# Altium PCB Goldstrike1_Rev01.PcbDoc (part 7 of 7)
Units mm, origin at the board's own origin, x right, y up, seen from the top; angles counter-clockwise.
Board outline 119.3 x 255 mm, 4 copper layers (L1, L2, L3, L4), stack 1.577 mm thick; 722 components, 224 nets, 4532 pads, 1329 vias.
Unrouted connection lines stored in the file: 147.
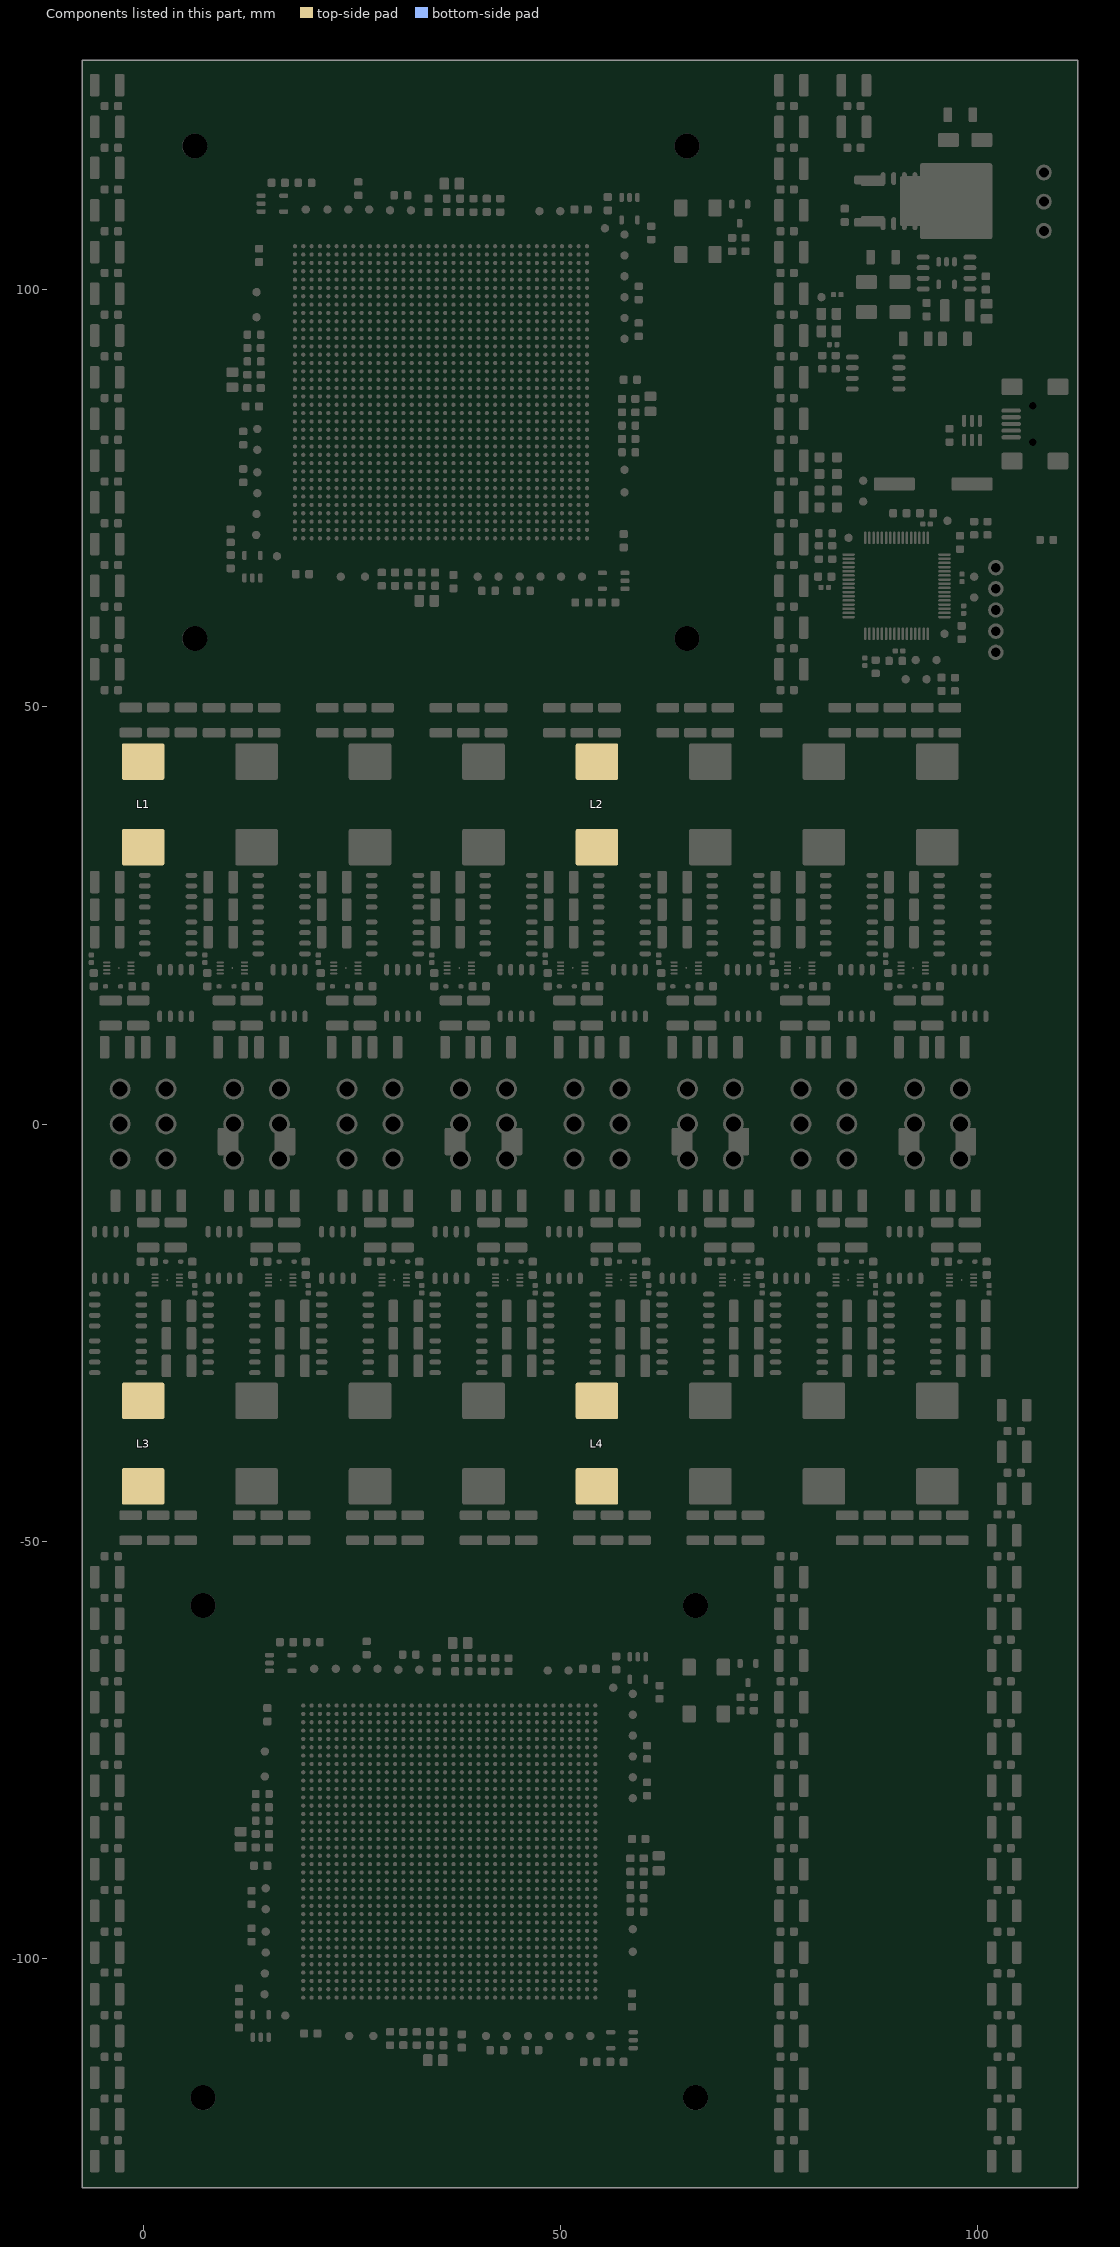
[diagram p9: the components of this part, seen from the top]

## Via types
v1: diameter 0.6/0.6/0.6 (per signal layer), hole 0.3, L1 to L4, 672 vias
v2: diameter 0.55/0.55/0.55 (per signal layer), hole 0.25, L1 to L4, 657 vias

## Nets (pads, with @x,y where several pads share a name; then routed paths per layer and width w, separated by ;. In a path a pad name is that pad's centre, name@x,y a point inside that pad or via, vN(x,y) a via of type N, cw(c..) or ccw(c..) an arc to the next point about the centre after c; other vN are vias at no path point) (continued)
pads on no net: 11.1 11.2 11.3 11.4 21.1 21.2 21.3 21.4 C18.2 C24.1 C25.1 C27.2 C39.1 C40.1 C41.1 C44.1 C45.1 C46.1 C49.1 C50.1 C51.1 C57.1 C66.1 C71.1 C72.1 C73.1 C76.1 C77.1 C78.1 C81.1 C82.1 C83.1 C88.1 C89.1 C96.1 C98.1 C99.1 C100.1 C108.1 C109.1 C110.1 C120.1 C130.1 C131.1 C132.1 C140.1 C141.1 C142.1 C148.2 C149.2 C152.2 C153.2 C154.2 C155.2 C156.2 C157.2 C160.2 C161.2 C162.2 C163.2 C164.1 C166.1 C167.1 C168.1 C169.1 C172.1 C174.1 C175.1 C176.1 C176.2 C178.1 C178.2 C179.1 C179.2 C180.1 C180.2 C181.1 C183.1 C184.1 C184.2 C185.2 C186.1 C186.2 C187.1 C187.2 C196.1 C206.1 C211.1 C212.1 C219.1 C223.1 C226.1 C242.1 C246.1 C260.1 C261.1 C264.1 C266.1 C267.1 C268.1 C269.1 C270.1 C271.1 C272.1 C273.1 C274.1 C275.1 C276.1 C277.1 C278.1 C279.1 C280.1 C281.1 C282.1 C283.1 C284.1 C285.1 C286.1 C287.1 C288.1 C289.1 C290.1 C291.1 C292.1 C293.1 C295.1 C296.1 C306.1 C307.1 C308.1 C309.1 C310.1 C312.1 C313.1 C314.1 C315.1 C316.1 C317.1 C318.1 C319.1 C320.1 C321.1 C322.1 C323.1 C324.1 C325.1 C326.1 C327.1 C328.1 C329.1 C330.1 C331.1 C332.1 C333.1 C334.1 C335.1 C336.1 C385.1 C386.1 C387.1 C388.1 C389.1 C390.1 C392.1 C393.1 C394.1 C395.1 C396.1 C397.1 C398.1 C399.1 C400.1 C401.1 C410.1 C411.1 C412.1 C413.1 C414.1 C414.2 C415.1 C416.1 C416.2 C417.1 C418.1 C419.1 C436.1 D6.2 D6.5 FB2.1 FB3.1 FB4.1 FB7.1 J1.3 J2.4 J2.5 J2.6 J2.7 J2.8 J2.9 J2.10 J2.11 J5.5 L7.2 L10.2 L11.1 L12.2 Q5.1 Q5.2 Q5.3 Q6.1 Q6.3 Q7.1 Q7.2 Q7.3 Q8.1 Q8.3 Q9.1 Q9.2 Q9.3 Q10.1 Q10.2 Q10.3 Q11.1 Q11.2 Q11.3 Q12.1 Q12.2 Q12.3 Q17.1 Q17.2 Q17.3 Q18.1 Q18.2 Q18.3 Q19.1 Q19.2 Q19.3 Q20.1 Q20.2 Q20.3 Q21.1 Q21.2 Q21.3 Q22.1 Q22.2 Q22.3 Q23.1 Q23.2 Q23.3 Q24.1 Q24.2 Q24.3 Q29.1 Q29.2 Q29.3 Q30.1 Q30.2 Q30.3 Q31.1 Q31.2 Q31.3 Q32.1 Q32.2 Q32.3 Q33.1 Q33.2 Q33.3 Q33.6 Q33.7 Q34.1 Q34.2 Q34.3 Q34.6 Q34.7 Q34.8 Q35.1 Q35.2 Q35.3 Q36.1 Q36.2 Q36.3 Q41.1 Q41.2 Q41.3 Q42.1 Q42.2 Q42.3 Q43.1 Q43.2 Q43.3 Q44.1 Q44.2 Q44.3 Q45.1 Q45.2 Q45.3 Q46.1 Q46.2 Q46.3 Q47.1 Q47.2 Q47.3 Q48.1 Q48.2 Q48.3 R5.1 R24.2 R26.2 R29.1 R30.1 R34.1 R35.2 R37.2 R42.2 R44.2 R46.2 TP70.1 TP72.1 U1.A1 U1.A3 U1.A4 U1.A11 U1.A13 U1.A14 U1.A15 U1.A16 U1.A18 U1.A19 U1.A20 U1.A21 U1.A22 U1.A23 U1.A25 U1.A26 U1.A27 U1.A28 U1.A29 U1.A30 U1.A31 U1.A32 U1.A33 U1.A35 U1.A36 U1.AA1 U1.AA2 U1.AA3 U1.AA4 U1.AA5 U1.AA6 U1.AA7 U1.AA8 U1.AA9 U1.AA10 U1.AA11 U1.AA12 U1.AA13 U1.AA14 U1.AA15 U1.AA16 U1.AA17 U1.AA18 U1.AA19 U1.AA20 U1.AA21 U1.AA22 U1.AA23 U1.AA24 U1.AA25 U1.AA26 U1.AA27 U1.AA28 U1.AA29 U1.AA30 U1.AA31 U1.AA32 U1.AA33 U1.AA34 U1.AA35 U1.AA36 U1.AB1 U1.AB2 U1.AB3 U1.AB4 U1.AB5 U1.AB6 U1.AB7 U1.AB8 U1.AB9 U1.AB10 U1.AB11 U1.AB12 U1.AB13 U1.AB14 U1.AB15 U1.AB16 U1.AB17 U1.AB18 U1.AB19 U1.AB20 U1.AB21 U1.AB22 U1.AB23 U1.AB24 U1.AB25 U1.AB26 U1.AB27 U1.AB28 U1.AB29 U1.AB30 U1.AB31 U1.AB32 U1.AB33 U1.AB34 U1.AB35 U1.AB36 U1.AC1 U1.AC2 U1.AC3 U1.AC4 U1.AC5 U1.AC6 U1.AC7 U1.AC8 U1.AC9 U1.AC10 U1.AC11 U1.AC12 U1.AC13 U1.AC14 U1.AC15 U1.AC16 U1.AC17 U1.AC18 U1.AC19 U1.AC20 U1.AC21 U1.AC22 U1.AC23 U1.AC24 U1.AC25 U1.AC26 U1.AC27 U1.AC28 U1.AC29 U1.AC30 U1.AC31 U1.AC32 U1.AC33 U1.AC34 U1.AC35 U1.AC36 U1.AD1 U1.AD2 U1.AD3 U1.AD4 U1.AD5 U1.AD6 U1.AD7 U1.AD8 U1.AD9 U1.AD10 U1.AD11 U1.AD12 U1.AD13 U1.AD14 U1.AD15 U1.AD16 U1.AD17 U1.AD18 U1.AD19 U1.AD20 U1.AD21 U1.AD22 U1.AD23 U1.AD24 U1.AD25 U1.AD26 U1.AD27 U1.AD28 U1.AD29 U1.AD30 U1.AD31 U1.AD32 U1.AD34 U1.AD35 U1.AD36 U1.AE1 U1.AE2 U1.AE3 U1.AE5 U1.AE6 U1.AE7 U1.AE8 U1.AE9 U1.AE10 U1.AE11 U1.AE12 U1.AE13 U1.AE14 U1.AE15 U1.AE16 U1.AE17 U1.AE18 U1.AE19 U1.AE20 U1.AE21 U1.AE22 U1.AE23 U1.AE24 U1.AE25 U1.AE26 U1.AE27 U1.AE28 U1.AE29 U1.AE30 U1.AE31 U1.AE32 U1.AE33 U1.AE34 U1.AE36 U1.AF1 U1.AF3 U1.AF6 U1.AF7 U1.AF8 U1.AF9 U1.AF10 U1.AF11 U1.AF12 U1.AF13 U1.AF14 U1.AF15 U1.AF16 U1.AF17 U1.AF18 U1.AF19 U1.AF20 U1.AF21 U1.AF22 U1.AF23 U1.AF24 U1.AF25 U1.AF26 U1.AF27 U1.AF28 U1.AF29 U1.AF30 U1.AF31 U1.AF32 U1.AF33 U1.AF34 U1.AF35 U1.AF36 U1.AG5 U1.AG6 U1.AG7 U1.AG8 U1.AG9 U1.AG10 U1.AG11 U1.AG12 U1.AG13 U1.AG14 U1.AG15 U1.AG16 U1.AG17 U1.AG18 U1.AG19 U1.AG20 U1.AG21 U1.AG22 U1.AG23 U1.AG24 U1.AG25 U1.AG26 U1.AG27 U1.AG28 U1.AG29 U1.AG30 U1.AG31 U1.AG32 U1.AG33 U1.AG34 U1.AG35 U1.AG36 U1.AH4 U1.AH5 U1.AH6 U1.AH7 U1.AH8 U1.AH9 U1.AH10 U1.AH11 U1.AH12 U1.AH13 U1.AH14 U1.AH15 U1.AH16 U1.AH17 U1.AH18 U1.AH19 U1.AH20 U1.AH21 U1.AH22 U1.AH23 U1.AH24 U1.AH25 U1.AH26 U1.AH27 U1.AH28 U1.AH29 U1.AH30 U1.AH31 U1.AH32 U1.AH33 U1.AH34 U1.AH35 U1.AH36 U1.AJ4 U1.AJ5 U1.AJ6 U1.AJ7 U1.AJ8 U1.AJ9 U1.AJ10 U1.AJ11 U1.AJ12 U1.AJ13 U1.AJ14 U1.AJ15 U1.AJ16 U1.AJ17 U1.AJ18 U1.AJ19 U1.AJ20 U1.AJ21 U1.AJ22 U1.AJ23 U1.AJ24 U1.AJ25 U1.AJ26 U1.AJ27 U1.AJ28 U1.AJ29 U1.AJ30 U1.AJ31 U1.AJ33 U1.AJ34 U1.AJ35 U1.AJ36 U1.AK1 U1.AK3 U1.AK4 U1.AK5 U1.AK6 U1.AK7 U1.AK8 U1.AK9 U1.AK10 U1.AK11 U1.AK12 U1.AK13 U1.AK14 U1.AK15 U1.AK16 U1.AK17 U1.AK18 U1.AK19 U1.AK20 U1.AK21 U1.AK22 U1.AK23 U1.AK24 U1.AK25 U1.AK26 U1.AK27 U1.AK28 U1.AK29 U1.AK30 U1.AK31 U1.AK34 U1.AK35 U1.AK36 U1.AL2 U1.AL3 U1.AL4 U1.AL5 U1.AL6 U1.AL7 U1.AL8 U1.AL9 U1.AL10 U1.AL11 U1.AL12 U1.AL13 U1.AL14 U1.AL15 U1.AL16 U1.AL17 U1.AL18 U1.AL19 U1.AL20 U1.AL21 U1.AL22 U1.AL23 U1.AL24 U1.AL25 U1.AL26 U1.AL27 U1.AL28 U1.AL29 U1.AL30 U1.AL31 U1.AL33 U1.AL34 U1.AL35 U1.AL36 U1.AM2 U1.AM3 U1.AM4 U1.AM5 U1.AM8 U1.AM9 U1.AM10 U1.AM11 U1.AM12 U1.AM14 U1.AM16 U1.AM18 U1.AM19 U1.AM20 U1.AM21 U1.AM22 U1.AM23 U1.AM25 U1.AM27 U1.AM29 U1.AM31 U1.AM32 U1.AM33 U1.AM34 U1.AM35 U1.AM36 U1.AN1 U1.AN2 U1.AN3 U1.AN4 U1.AN5 U1.AN6 U1.AN7 U1.AN8 U1.AN9 U1.AN10 U1.AN11 U1.AN12 U1.AN14 U1.AN15 U1.AN16 U1.AN17 U1.AN19 U1.AN20 U1.AN21 U1.AN22 U1.AN23 U1.AN24 U1.AN28 U1.AN29 U1.AN30 U1.AN31 U1.AN32 U1.AN33 U1.AN34 U1.AN35 U1.AN36 U1.AP1 U1.AP2 U1.AP3 U1.AP4 U1.AP5 U1.AP6 U1.AP7 U1.AP8 U1.AP9 U1.AP10 U1.AP11 U1.AP12 U1.AP13 U1.AP14 U1.AP15 U1.AP16 U1.AP17 U1.AP18 U1.AP19 U1.AP20 U1.AP21 U1.AP22 U1.AP23 U1.AP24 U1.AP25 U1.AP26 U1.AP30 U1.AP31 U1.AP32 U1.AP33 U1.AP34 U1.AP35 U1.AP36 U1.AR2 U1.AR3 U1.AR4 U1.AR6 U1.AR7 U1.AR8 U1.AR9 U1.AR10 U1.AR13 U1.AR14 U1.AR15 U1.AR16 U1.AR17 U1.AR18 U1.AR19 U1.AR20 U1.AR21 U1.AR22 U1.AR23 U1.AR24 U1.AR25 U1.AR26 U1.AR31 U1.AR32 U1.AR33 U1.AR34 U1.AR35 U1.AT4 U1.AT5 U1.AT6 U1.AT7 U1.AT9 U1.AT10 U1.AT11 U1.AT12 U1.AT13 U1.AT14 U1.AT15 U1.AT16 U1.AT17 U1.AT19 U1.AT20 U1.AT21 U1.AT22 U1.AT23 U1.AT24 U1.AT30 U1.AT33 U1.AT34 U1.B1 U1.B2 U1.B3 U1.B5 U1.B6 U1.B9 U1.B12 U1.B13 U1.B15 U1.B16 U1.B17 U1.B18 U1.B19 U1.B20 U1.B22 U1.B23 U1.B24 U1.B26 U1.B27 U1.B28 U1.B29 U1.B30 U1.B32 U1.B33 U1.B34 U1.B35 U1.C2 U1.C3 U1.C4 U1.C5 U1.C6 U1.C7 U1.C12 U1.C13 U1.C14 U1.C15 U1.C16 U1.C17 U1.C18 U1.C19 U1.C20 U1.C21 U1.C22 U1.C23 U1.C24 U1.C25 U1.C26 U1.C27 U1.C29 U1.C30 U1.C31 U1.C33 U1.C34 U1.C35 U1.C36 U1.D1 U1.D2 U1.D3 U1.D4 U1.D5 U1.D6 U1.D7 U1.D8 U1.D13 U1.D14 U1.D15 U1.D16 U1.D17 U1.D18 U1.D19 U1.D20 U1.D21 U1.D22 U1.D23 U1.D25 U1.D26 U1.D27 U1.D28 U1.D29 U1.D31 U1.D32 U1.D33 U1.D34 U1.D35 U1.D36 U1.E1 U1.E2 U1.E3 U1.E4 U1.E5 U1.E6 U1.E7 U1.E8 U1.E9 U1.E10 U1.E12 U1.E13 U1.E14 U1.E15 U1.E16 U1.E17 U1.E18 U1.E19 U1.E20 U1.E21 U1.E22 U1.E23 U1.E24 U1.E25 U1.E26 U1.E27 U1.E28 U1.E32 U1.E33 U1.E34 U1.E35 U1.F1 U1.F2 U1.F3 U1.F4 U1.F6 U1.F7 U1.F8 U1.F9 U1.F10 U1.F11 U1.F12 U1.F13 U1.F14 U1.F15 U1.F16 U1.F17 U1.F18 U1.F19 U1.F20 U1.F21 U1.F22 U1.F23 U1.F24 U1.F25 U1.F26 U1.F27 U1.F28 U1.F29 U1.F30 U1.F31 U1.F32 U1.F33 U1.F34 U1.F35 U1.FID1 U1.FID2 U1.G1 U1.G2 U1.G3 U1.G6 U1.G7 U1.G8 U1.G9 U1.G10 U1.G11 U1.G12 U1.G13 U1.G14 U1.G15 U1.G16 U1.G17 U1.G18 U1.G19 U1.G20 U1.G21 U1.G22 U1.G23 U1.G24 U1.G25 U1.G26 U1.G27 U1.G28 U1.G29 U1.G30 U1.G31 U1.G32 U1.G33 U1.G34 U1.G36 U1.H1 U1.H2 U1.H3 U1.H4 U1.H6 U1.H7 U1.H8 U1.H9 U1.H10 U1.H11 U1.H12 U1.H13 U1.H14 U1.H15 U1.H16 U1.H17 U1.H18 U1.H19 U1.H20 U1.H21 U1.H22 U1.H23 U1.H24 U1.H25 U1.H26 U1.H27 U1.H28 U1.H29 U1.H30 U1.H31 U1.H32 U1.H33 U1.J1 U1.J2 U1.J3 U1.J4 U1.J5 U1.J6 U1.J7 U1.J8 U1.J9 U1.J10 U1.J11 U1.J12 U1.J13 U1.J14 U1.J15 U1.J16 U1.J17 U1.J18 U1.J19 U1.J20 U1.J21 U1.J22 U1.J23 U1.J24 U1.J25 U1.J26 U1.J27 U1.J28 U1.J29 U1.J30 U1.J31 U1.J32 U1.J35 U1.K1 U1.K2 U1.K3 U1.K4 U1.K5 U1.K6 U1.K7 U1.K8 U1.K9 U1.K10 U1.K11 U1.K12 U1.K13 U1.K14 U1.K15 U1.K16 U1.K17 U1.K18 U1.K19 U1.K20 U1.K21 U1.K22 U1.K23 U1.K24 U1.K25 U1.K26 U1.K27 U1.K28 U1.K29 U1.K30 U1.K31 U1.K32 U1.L1 U1.L2 U1.L3 U1.L4 U1.L5 U1.L6 U1.L7 U1.L8 U1.L9 U1.L10 U1.L11 U1.L12 U1.L13 U1.L14 U1.L15 U1.L16 U1.L17 U1.L18 U1.L19 U1.L20 U1.L21 U1.L22 U1.L23 U1.L24 U1.L25 U1.L26 U1.L27 U1.L28 U1.L29 U1.L30 U1.L31 U1.L34 U1.L36 U1.M1 U1.M3 U1.M4 U1.M5 U1.M6 U1.M7 U1.M8 U1.M9 U1.M10 U1.M11 U1.M12 U1.M13 U1.M14 U1.M15 U1.M16 U1.M17 U1.M18 U1.M19 U1.M20 U1.M21 U1.M22 U1.M23 U1.M24 U1.M25 U1.M26 U1.M27 U1.M28 U1.M29 U1.M30 U1.M31 U1.M32 U1.M34 U1.M35 U1.M36 U1.N1 U1.N2 U1.N3 U1.N5 U1.N6 U1.N7 U1.N8 U1.N9 U1.N10 U1.N11 U1.N12 U1.N13 U1.N14 U1.N15 U1.N16 U1.N17 U1.N18 U1.N19 U1.N20 U1.N21 U1.N22 U1.N23 U1.N24 U1.N25 U1.N26 U1.N27 U1.N28 U1.N29 U1.N30 U1.N31 U1.N32 U1.N33 U1.N34 U1.N35 U1.N36 U1.P1 U1.P2 U1.P3 U1.P4 U1.P5 U1.P6 U1.P7 U1.P8 U1.P9 U1.P10 U1.P11 U1.P12 U1.P13 U1.P14 U1.P15 U1.P16 U1.P17 U1.P18 U1.P19 U1.P20 U1.P21 U1.P22 U1.P23 U1.P24 U1.P25 U1.P26 U1.P27 U1.P28 U1.P29 U1.P30 U1.P31 U1.P32 U1.P33 U1.P34 U1.P35 U1.P36 U1.R1 U1.R2 U1.R3 U1.R4 U1.R5 U1.R6 U1.R7 U1.R8 U1.R9 U1.R10 U1.R11 U1.R12 U1.R13 U1.R14 U1.R15 U1.R16 U1.R17 U1.R18 U1.R19 U1.R20 U1.R21 U1.R22 U1.R23 U1.R24 U1.R25 U1.R26 U1.R27 U1.R28 U1.R29 U1.R30 U1.R31 U1.R32 U1.R33 U1.R34 U1.R35 U1.R36 U1.T1 U1.T2 U1.T3 U1.T4 U1.T5 U1.T6 U1.T7 U1.T8 U1.T9 U1.T10 U1.T11 U1.T12 U1.T13 U1.T14 U1.T15 U1.T16 U1.T17 U1.T18 U1.T19 U1.T20 U1.T21 U1.T22 U1.T23 U1.T24 U1.T25 U1.T26 U1.T27 U1.T28 U1.T29 U1.T30 U1.T31 U1.T32 U1.T33 U1.T34 U1.T35 U1.T36 U1.U1 U1.U2 U1.U3 U1.U4 U1.U5 U1.U6 U1.U7 U1.U8 U1.U9 U1.U10 U1.U11 U1.U12 U1.U13 U1.U14 U1.U15 U1.U16 U1.U17 U1.U18 U1.U19 U1.U20 U1.U21 U1.U22 U1.U23 U1.U24 U1.U25 U1.U26 U1.U27 U1.U28 U1.U29 U1.U30 U1.U31 U1.U32 U1.U33 U1.U34 U1.U35 U1.U36 U1.V1 U1.V2 U1.V3 U1.V4 U1.V5 U1.V6 U1.V7 U1.V8 U1.V9 U1.V10 U1.V11 U1.V12 U1.V13 U1.V14 U1.V15 U1.V16 U1.V17 U1.V18 U1.V19 U1.V20 U1.V21 U1.V22 U1.V23 U1.V24 U1.V25 U1.V26 U1.V27 U1.V28 U1.V29 U1.V30 U1.V31 U1.V32 U1.V33 U1.V34 U1.V35 U1.V36 U1.W1 U1.W2 U1.W3 U1.W4 U1.W5 U1.W6 U1.W7 U1.W8 U1.W9 U1.W10 U1.W11 U1.W12 U1.W13 U1.W14 U1.W15 U1.W16 U1.W17 U1.W18 U1.W19 U1.W20 U1.W21 U1.W22 U1.W23 U1.W24 U1.W25 U1.W26 U1.W27 U1.W28 U1.W29 U1.W30 U1.W31 U1.W32 U1.W33 U1.W34 U1.W35 U1.W36 U1.Y1 U1.Y2 U1.Y3 U1.Y4 U1.Y5 U1.Y6 U1.Y7 U1.Y8 U1.Y9 U1.Y10 U1.Y11 U1.Y12 U1.Y13 U1.Y14 U1.Y15 U1.Y16 U1.Y17 U1.Y18 U1.Y19 U1.Y20 U1.Y21 U1.Y22 U1.Y23 U1.Y24 U1.Y25 U1.Y26 U1.Y27 U1.Y28 U1.Y29 U1.Y30 U1.Y31 U1.Y32 U1.Y33 U1.Y34 U1.Y35 U1.Y36 U2.A3 U2.A4 U2.A13 U2.A14 U2.A15 U2.A16 U2.A18 U2.A20 U2.A21 U2.A22 U2.A23 U2.A25 U2.A26 U2.A27 U2.A28 U2.A30 U2.A31 U2.A32 U2.A33 U2.AA1 U2.AA2 U2.AA3 U2.AA4 U2.AA5 U2.AA6 U2.AA7 U2.AA8 U2.AA9 U2.AA10 U2.AA11 U2.AA12 U2.AA13 U2.AA14 U2.AA15 U2.AA16 U2.AA17 U2.AA18 U2.AA19 U2.AA20 U2.AA21 U2.AA22 U2.AA23 U2.AA24 U2.AA25 U2.AA26 U2.AA27 U2.AA28 U2.AA29 U2.AA30 U2.AA31 U2.AA32 U2.AA33 U2.AA34 U2.AA35 U2.AA36 U2.AB1 U2.AB2 U2.AB3 U2.AB4 U2.AB5 U2.AB6 U2.AB7 U2.AB8 U2.AB9 U2.AB10 U2.AB11 U2.AB12 U2.AB13 U2.AB14 U2.AB15 U2.AB16 U2.AB17 U2.AB18 U2.AB19 U2.AB20 U2.AB21 U2.AB22 U2.AB23 U2.AB24 U2.AB25 U2.AB26 U2.AB27 U2.AB28 U2.AB29 U2.AB30 U2.AB31 U2.AB32 U2.AB33 U2.AB34 U2.AB35 U2.AB36 U2.AC1 U2.AC2 U2.AC3 U2.AC4 U2.AC5 U2.AC6 U2.AC7 U2.AC9 U2.AC11 U2.AC13 U2.AC15 U2.AC17 U2.AC20 U2.AC22 U2.AC24 U2.AC26 U2.AC28 U2.AC30 U2.AC32 U2.AC33 U2.AC34 U2.AC35 U2.AC36 U2.AD1 U2.AD2 U2.AD3 U2.AD4 U2.AD6 U2.AD8 U2.AD10 U2.AD12 U2.AD14 U2.AD34 U2.AD35 U2.AD36 U2.AE2 U2.AE3 U2.AE33 U2.AE34 U2.AE36 U2.AF3 U2.AF33 U2.AF34 U2.AF36 U2.AG33 U2.AG34 U2.AG35 U2.AG36 U2.AH33 U2.AH34 U2.AH35 U2.AH36 U2.AJ4 U2.AJ33 U2.AJ34 U2.AJ35 U2.AK1 U2.AK3 U2.AK4 U2.AK34 U2.AK35 U2.AK36 U2.AL2 U2.AL4 U2.AL33 U2.AL34 U2.AL36 U2.AM2 U2.AM3 U2.AM4 U2.AM5 U2.AM19 U2.AM33 U2.AM36 U2.AN1 U2.AN2 U2.AN3 U2.AN4 U2.AN5 U2.AN6 U2.AN8 U2.AN9 U2.AN10 U2.AN11 U2.AN12 U2.AN14 U2.AN15 U2.AN16 U2.AN19 U2.AN20 U2.AN21 U2.AN22 U2.AN23 U2.AN28 U2.AN29 U2.AN30 U2.AN31 U2.AN32 U2.AN33 U2.AN35 U2.AN36 U2.AP1 U2.AP2 U2.AP3 U2.AP4 U2.AP5 U2.AP6 U2.AP7 U2.AP8 U2.AP9 U2.AP10 U2.AP11 U2.AP12 U2.AP13 U2.AP14 U2.AP15 U2.AP16 U2.AP17 U2.AP18 U2.AP19 U2.AP20 U2.AP21 U2.AP22 U2.AP23 U2.AP24 U2.AP25 U2.AP26 U2.AP30 U2.AP31 U2.AP32 U2.AP33 U2.AP34 U2.AP35 U2.AP36 U2.AR1 U2.AR2 U2.AR3 U2.AR4 U2.AR5 U2.AR6 U2.AR7 U2.AR8 U2.AR9 U2.AR10 U2.AR11 U2.AR13 U2.AR14 U2.AR15 U2.AR16 U2.AR17 U2.AR18 U2.AR19 U2.AR20 U2.AR21 U2.AR22 U2.AR23 U2.AR24 U2.AR25 U2.AR28 U2.AR31 U2.AR32 U2.AR33 U2.AR34 U2.AR35 U2.AR36 U2.AT2 U2.AT4 U2.AT5 U2.AT6 U2.AT7 U2.AT8 U2.AT9 U2.AT10 U2.AT11 U2.AT12 U2.AT13 U2.AT14 U2.AT15 U2.AT16 U2.AT17 U2.AT18 U2.AT19 U2.AT20 U2.AT21 U2.AT22 U2.AT23 U2.AT24 U2.AT25 U2.AT30 U2.AT33 U2.AT34 U2.AT36 U2.B2 U2.B3 U2.B4 U2.B5 U2.B6 U2.B12 U2.B13 U2.B14 U2.B15 U2.B16 U2.B17 U2.B18 U2.B19 U2.B20 U2.B21 U2.B22 U2.B23 U2.B24 U2.B27 U2.B28 U2.B29 U2.B30 U2.B31 U2.B33 U2.B34 U2.B35 U2.C1 U2.C2 U2.C3 U2.C4 U2.C5 U2.C7 U2.C11 U2.C12 U2.C13 U2.C14 U2.C15 U2.C17 U2.C18 U2.C20 U2.C21 U2.C22 U2.C24 U2.C25 U2.C26 U2.C27 U2.C28 U2.C29 U2.C30 U2.C31 U2.C32 U2.C34 U2.C35 U2.C36 U2.D1 U2.D2 U2.D3 U2.D4 U2.D5 U2.D6 U2.D7 U2.D8 U2.D9 U2.D13 U2.D14 U2.D15 U2.D16 U2.D17 U2.D18 U2.D20 U2.D21 U2.D22 U2.D23 U2.D25 U2.D26 U2.D27 U2.D28 U2.D29 U2.D31 U2.D32 U2.D33 U2.D34 U2.D35 U2.D36 U2.E1 U2.E2 U2.E3 U2.E4 U2.E5 U2.E6 U2.E8 U2.E10 U2.E12 U2.E14 U2.E15 U2.E16 U2.E17 U2.E18 U2.E19 U2.E21 U2.E23 U2.E25 U2.E27 U2.E32 U2.E33 U2.E34 U2.E35 U2.F1 U2.F3 U2.F4 U2.F7 U2.F9 U2.F11 U2.F13 U2.F15 U2.F17 U2.F20 U2.F22 U2.F24 U2.F26 U2.F28 U2.F30 U2.F32 U2.F33 U2.F34 U2.F35 U2.FID1 U2.FID2 U2.G1 U2.G2 U2.G3 U2.G6 U2.G8 U2.G10 U2.G12 U2.G14 U2.G16 U2.G18 U2.G19 U2.G21 U2.G23 U2.G25 U2.G27 U2.G29 U2.G31 U2.G33 U2.G34 U2.H1 U2.H2 U2.H3 U2.H4 U2.H7 U2.H9 U2.H11 U2.H13 U2.H15 U2.H17 U2.H20 U2.H22 U2.H24 U2.H26 U2.H28 U2.H30 U2.H32 U2.J1 U2.J2 U2.J3 U2.J4 U2.J6 U2.J8 U2.J10 U2.J12 U2.J14 U2.J16 U2.J18 U2.J19 U2.J21 U2.J23 U2.J25 U2.J27 U2.J29 U2.J31 U2.J33 U2.J35 U2.K1 U2.K2 U2.K3 U2.K4 U2.K5 U2.K7 U2.K9 U2.K11 U2.K13 U2.K15 U2.K17 U2.K20 U2.K22 U2.K24 U2.K26 U2.K28 U2.K30 U2.K32 U2.L1 U2.L2 U2.L3 U2.L4 U2.L6 U2.L8 U2.L10 U2.L12 U2.L14 U2.L16 U2.L18 U2.L19 U2.L21 U2.L23 U2.L25 U2.L27 U2.L29 U2.L31 U2.L34 U2.M1 U2.M3 U2.M4 U2.M5 U2.M7 U2.M9 U2.M11 U2.M13 U2.M15 U2.M17 U2.M20 U2.M22 U2.M24 U2.M26 U2.M28 U2.M30 U2.M32 U2.M34 U2.M35 U2.M36 U2.N1 U2.N2 U2.N3 U2.N6 U2.N8 U2.N10 U2.N12 U2.N14 U2.N16 U2.N18 U2.N19 U2.N21 U2.N23 U2.N25 U2.N27 U2.N29 U2.N31 U2.N33 U2.N34 U2.N35 U2.N36 U2.P1 U2.P2 U2.P3 U2.P4 U2.P5 U2.P7 U2.P9 U2.P11 U2.P13 U2.P15 U2.P17 U2.P20 U2.P22 U2.P24 U2.P26 U2.P28 U2.P30 U2.P32 U2.P33 U2.P34 U2.P35 U2.P36 U2.R1 U2.R2 U2.R3 U2.R4 U2.R6 U2.R8 U2.R10 U2.R12 U2.R14 U2.R16 U2.R18 U2.R19 U2.R21 U2.R23 U2.R25 U2.R27 U2.R29 U2.R31 U2.R32 U2.R33 U2.R34 U2.R35 U2.R36 U2.T1 U2.T2 U2.T3 U2.T4 U2.T5 U2.T7 U2.T9 U2.T11 U2.T13 U2.T15 U2.T17 U2.T20 U2.T22 U2.T24 U2.T26 U2.T28 U2.T30 U2.T32 U2.T33 U2.T34 U2.T35 U2.T36 U2.U1 U2.U2 U2.U3 U2.U4 U2.U6 U2.U8 U2.U10 U2.U12 U2.U14 U2.U16 U2.U18 U2.U19 U2.U21 U2.U23 U2.U25 U2.U27 U2.U29 U2.U31 U2.U32 U2.U33 U2.U34 U2.U35 U2.U36 U2.V1 U2.V2 U2.V3 U2.V5 U2.V7 U2.V9 U2.V11 U2.V13 U2.V15 U2.V17 U2.V20 U2.V22 U2.V24 U2.V26 U2.V28 U2.V30 U2.V32 U2.V33 U2.V34 U2.V35 U2.V36 U2.W1 U2.W2 U2.W3 U2.W4 U2.W5 U2.W7 U2.W9 U2.W11 U2.W13 U2.W15 U2.W17 U2.W20 U2.W22 U2.W24 U2.W26 U2.W28 U2.W30 U2.W32 U2.W34 U2.W35 U2.W36 U2.Y1 U2.Y2 U2.Y3 U2.Y4 U2.Y5 U2.Y6 U2.Y7 U2.Y8 U2.Y9 U2.Y10 U2.Y11 U2.Y12 U2.Y13 U2.Y14 U2.Y15 U2.Y16 U2.Y17 U2.Y18 U2.Y19 U2.Y20 U2.Y21 U2.Y22 U2.Y23 U2.Y24 U2.Y25 U2.Y26 U2.Y27 U2.Y28 U2.Y29 U2.Y30 U2.Y31 U2.Y32 U2.Y33 U2.Y34 U2.Y35 U2.Y36 U3.65 U3.66 U4.2 U4.3 U4.4 U4.6 U5.2 U5.4 U6.2 U6.3 U6.4 U6.6 U9.3 U9.4 U9.6 U9.7 U10.1 U15.6 U16.6 U17.5 U19.6 U20.6 U23.6 U24.6 U27.1 U28.1 U28.4 U29.1 U30.1 U31.1 U32.1 U32.4 U32.5 U33.1

## Polygon pours and split planes (outlines as drawn)
3.3V on L4 "L4-3.3V" (solid, remove dead copper, pour order 99): 1.3,-51.7 72.3,-51.7 72.3,-122.7 1.3,-122.7
12V on L4 "L4-12V" (solid, remove dead copper, pour order 98): -7.3,17 102.7,17 102.7,-17 -7.3,-17
3.3V on L4 "L4-3.3V 1" (solid, remove dead copper, pour order 100): 1.2,123.2 72.2,123.2 72.2,52.2 1.2,52.2
GND on L1 "L1-GND" (solid, remove dead copper, pour order 88): 90,12.4 90,11.2 91.6,11.2 92.4,10.4 92.4,7.2 95.8,3.8 95.8,-4.6 94.2,-6.2 94.2,-12.4 100.6,-12.4 100.6,-11.2 99,-11.2 98.3,-10.5 98.3,-7.5 100.65,-5.15 100.65,3.75 96.2,8.2 96.2,12.4
GND on L1 "L1-GND 1" (solid, remove dead copper, pour order 92): 80.4,127.5 80.4,48 103,48 103,-127.5 112,-127.5 112,127.5
GND on L1 "L1-GND 2" (solid, remove dead copper, pour order 62): 28.1,21.3 28.1,30.1 27.5,30.7 23.5,30.7 23.5,17.9 25.1,17.9 25.1,19.3 26.2,19.3 26.2,21.3
$1I84\SWN3 on L1 "L1-$1I84\SWN3" (solid, remove dead copper, pour order 70): 28.9,17.4 28.9,30 27.9,31 24.6,31 24.6,35.4 33.8,35.4 33.8,17.4
$1I84\SWN14 on L1 "L1-$1I84\SWN14" (solid, remove dead copper, pour order 74): 66.3,-17.4 66.3,-30 67.3,-31 70.6,-31 70.6,-35.4 61.4,-35.4 61.4,-17.4
GND on L1 "L1-GND 3" (solid, remove dead copper, pour order 93): 77,49 -3.6,49 -3.6,127.5 77,127.5
$1I84\SWN8 on L1 "L1-$1I84\SWN8" (solid, remove dead copper, pour order 80): 96.9,17.4 96.9,30 95.9,31 92.6,31 92.6,35.4 101.8,35.4 101.8,17.4
GND on L1 "L1-GND 4" (solid, remove dead copper, pour order 53): 53.5,-21.3 53.5,-30.1 54.1,-30.7 58.1,-30.7 58.1,-17.9 56.5,-17.9 56.5,-19.3 55.4,-19.3 55.4,-21.3
GND on L1 "L1-GND 5" (solid, remove dead copper, pour order 66): 55.3,21.3 55.3,30.1 54.7,30.7 50.7,30.7 50.7,17.9 52.3,17.9 52.3,19.3 53.4,19.3 53.4,21.3
12V on L1 "L1-12V" (solid, remove dead copper, pour order 91): -7.3,17 102.7,17 102.7,-17 -7.3,-17
GND on L1 "L1-GND 6" (solid, remove dead copper, pour order 85): 49.2,12.4 49.2,11.2 50.8,11.2 51.6,10.4 51.6,7.2 55,3.8 55,-4.6 53.4,-6.2 53.4,-12.4 59.8,-12.4 59.8,-11.2 58.2,-11.2 57.5,-10.5 57.5,-7.5 59.85,-5.15 59.85,3.75 55.4,8.2 55.4,12.4
$1I84\SWN5 on L1 "L1-$1I84\SWN5" (solid, remove dead copper, pour order 82): 56.1,17.4 56.1,30 55.1,31 51.8,31 51.8,35.4 61,35.4 61,17.4
$1I84\SWN1 on L1 "L1-$1I84\SWN1" (solid, remove dead copper, pour order 76): 1.7,17.4 1.7,30 0.7,31 -2.6,31 -2.6,35.4 6.6,35.4 6.6,17.4
GND on L1 "L1-GND 7" (solid, remove dead copper, pour order 83): 62.8,12.4 62.8,11.2 64.4,11.2 65.2,10.4 65.2,7.2 68.6,3.8 68.6,-4.6 67,-6.2 67,-12.4 73.4,-12.4 73.4,-11.2 71.8,-11.2 71.1,-10.5 71.1,-7.5 73.45,-5.15 73.45,3.75 69,8.2 69,12.4
GND on L1 "L1-GND 8" (solid, remove dead copper, pour order 89): -5.2,12.4 -5.2,11.2 -3.6,11.2 -2.8,10.4 -2.8,7.2 0.6,3.8 0.6,-4.6 -1,-6.2 -1,-12.4 5.4,-12.4 5.4,-11.2 3.8,-11.2 3.1,-10.5 3.1,-7.5 5.45,-5.15 5.45,3.75 1,8.2 1,12.4
GND on L1 "L1-GND 9" (solid, remove dead copper, pour order 63): 80.7,-21.3 80.7,-30.1 81.3,-30.7 85.3,-30.7 85.3,-17.9 83.7,-17.9 83.7,-19.3 82.6,-19.3 82.6,-21.3
GND on L1 "L1-GND 10" (solid, remove dead copper, pour order 90): 8.4,12.381 8.4,11.181 10,11.181 10.8,10.381 10.8,7.181 14.2,3.781 14.2,-4.619 12.6,-6.219 12.6,-12.419 19,-12.419 19,-11.219 17.4,-11.219 16.7,-10.519 16.7,-7.519 19.05,-5.169 19.05,3.731 14.6,8.181 14.6,12.381
$1I84\SWN10 on L1 "L1-$1I84\SWN10" (solid, remove dead copper, pour order 75): 11.9,-17.4 11.9,-30 12.9,-31 16.2,-31 16.2,-35.4 7,-35.4 7,-17.4
GND on L1 "L1-GND 11" (solid, remove dead copper, pour order 84): 35.6,12.4 35.6,11.2 37.2,11.2 38,10.4 38,7.2 41.4,3.8 41.4,-4.6 39.8,-6.2 39.8,-12.4 46.2,-12.4 46.2,-11.2 44.6,-11.2 43.9,-10.5 43.9,-7.5 46.25,-5.15 46.25,3.75 41.8,8.2 41.8,12.4
GND on L1 "L1-GND 12" (solid, remove dead copper, pour order 58): 26.3,-21.3 26.3,-30.1 26.9,-30.7 30.9,-30.7 30.9,-17.9 29.3,-17.9 29.3,-19.3 28.2,-19.3 28.2,-21.3
GND on L1 "L1-GND 13" (solid, remove dead copper, pour order 64): 14.5,21.3 14.5,30.1 13.9,30.7 9.9,30.7 9.9,17.9 11.5,17.9 11.5,19.3 12.6,19.3 12.6,21.3
$1I84\SWN12 on L1 "L1-$1I84\SWN12" (solid, remove dead copper, pour order 81): 39.1,-17.4 39.1,-30 40.1,-31 43.4,-31 43.4,-35.4 34.2,-35.4 34.2,-17.4
GND on L1 "L1-GND 14" (solid, remove dead copper, pour order 65): 39.9,-21.3 39.9,-30.1 40.5,-30.7 44.5,-30.7 44.5,-17.9 42.9,-17.9 42.9,-19.3 41.8,-19.3 41.8,-21.3
GND on L1 "L1-GND 15" (solid, remove dead copper, pour order 87): 76.4,12.4 76.4,11.2 78,11.2 78.8,10.4 78.8,7.2 82.2,3.8 82.2,-4.6 80.6,-6.2 80.6,-12.4 87,-12.4 87,-11.2 85.4,-11.2 84.7,-10.5 84.7,-7.5 87.05,-5.15 87.05,3.75 82.6,8.2 82.6,12.4
$1I84\SWN13 on L1 "L1-$1I84\SWN13" (solid, remove dead copper, pour order 73): 52.7,-17.4 52.7,-30 53.7,-31 57,-31 57,-35.4 47.8,-35.4 47.8,-17.4
GND on L1 "L1-GND 16" (solid, remove dead copper, pour order 94): -3.7,-48.9 77.1,-48.9 77.1,-127.4 -3.7,-127.4
GND on L1 "L1-GND 17" (solid, remove dead copper, pour order 54): -0.9,-21.3 -0.9,-30.1 -0.3,-30.7 3.7,-30.7 3.7,-17.9 2.1,-17.9 2.1,-19.3 1,-19.3 1,-21.3
GND on L1 "L1-GND 18" (solid, remove dead copper, pour order 55): 12.7,-21.3 12.7,-30.1 13.3,-30.7 17.3,-30.7 17.3,-17.9 15.7,-17.9 15.7,-19.3 14.6,-19.3 14.6,-21.3
$1I84\SWN4 on L1 "L1-$1I84\SWN4" (solid, remove dead copper, pour order 72): 42.5,17.4 42.5,30 41.5,31 38.2,31 38.2,35.4 47.4,35.4 47.4,17.4
GND on L1 "L1-GND 19" (solid, remove dead copper, pour order 51): 94.3,-21.3 94.3,-30.1 94.9,-30.7 98.9,-30.7 98.9,-17.9 97.3,-17.9 97.3,-19.3 96.2,-19.3 96.2,-21.3
GND on L1 "L1-GND 20" (solid, remove dead copper, pour order 52): 96.1,21.3 96.1,30.1 95.5,30.7 91.5,30.7 91.5,17.9 93.1,17.9 93.1,19.3 94.2,19.3 94.2,21.3
$1I84\SWN6 on L1 "L1-$1I84\SWN6" (solid, remove dead copper, pour order 71): 69.7,17.4 69.7,30 68.7,31 65.4,31 65.4,35.4 74.6,35.4 74.6,17.4
$1I84\SWN2 on L1 "L1-$1I84\SWN2" (solid, remove dead copper, pour order 68): 15.3,17.4 15.3,30 14.3,31 11,31 11,35.4 20.2,35.4 20.2,17.4
GND on L1 "L1-GND 21" (solid, remove dead copper, pour order 61): 67.1,-21.3 67.1,-30.1 67.7,-30.7 71.7,-30.7 71.7,-17.9 70.1,-17.9 70.1,-19.3 69,-19.3 69,-21.3
$1I84\SWN7 on L1 "L1-$1I84\SWN7" (solid, remove dead copper, pour order 77): 83.3,17.4 83.3,30 82.3,31 79,31 79,35.4 88.2,35.4 88.2,17.4
1V on L1 "L1-1V" (solid, remove dead copper, pour order 96): -7.3,-21 103.1,-21 103.1,-127.5 -7.3,-127.5
$1I84\SWN15 on L1 "L1-$1I84\SWN15" (solid, remove dead copper, pour order 67): 79.9,-17.4 79.9,-30 80.9,-31 84.2,-31 84.2,-35.4 75,-35.4 75,-17.4
1V on L1 "L1-1V 1" (solid, remove dead copper, pour order 95): 102.7,21 -7.3,21 -7.3,127.5 102.7,127.5
$1I84\SWN11 on L1 "L1-$1I84\SWN11" (solid, remove dead copper, pour order 69): 25.5,-17.4 25.5,-30 26.5,-31 29.8,-31 29.8,-35.4 20.6,-35.4 20.6,-17.4
GND on L1 "L1-GND 22" (solid, remove dead copper, pour order 57): 0.9,21.3 0.9,30.1 0.3,30.7 -3.7,30.7 -3.7,17.9 -2.1,17.9 -2.1,19.3 -1,19.3 -1,21.3
GND on L1 "L1-GND 23" (solid, remove dead copper, pour order 56): 41.7,21.3 41.7,30.1 41.1,30.7 37.1,30.7 37.1,17.9 38.7,17.9 38.7,19.3 39.8,19.3 39.8,21.3
GND on L1 "L1-GND 24" (solid, remove dead copper, pour order 86): 22,12.4 22,11.2 23.6,11.2 24.4,10.4 24.4,7.2 27.8,3.8 27.8,-4.6 26.2,-6.2 26.2,-12.4 32.6,-12.4 32.6,-11.2 31,-11.2 30.3,-10.5 30.3,-7.5 32.65,-5.15 32.65,3.75 28.2,8.2 28.2,12.4
GND on L1 "L1-GND 25" (solid, remove dead copper, pour order 60): 82.5,21.3 82.5,30.1 81.9,30.7 77.9,30.7 77.9,17.9 79.5,17.9 79.5,19.3 80.6,19.3 80.6,21.3
$1I84\SWN16 on L1 "L1-$1I84\SWN16" (solid, remove dead copper, pour order 79): 93.5,-17.4 93.5,-30 94.5,-31 97.8,-31 97.8,-35.4 88.6,-35.4 88.6,-17.4
$1I84\SWN9 on L1 "L1-$1I84\SWN9" (solid, remove dead copper, pour order 78): -1.7,-17.4 -1.7,-30 -0.7,-31 2.6,-31 2.6,-35.4 -6.6,-35.4 -6.6,-17.4
GND on L1 "L1-GND 26" (solid, remove dead copper, pour order 59): 68.9,21.3 68.9,30.1 68.3,30.7 64.3,30.7 64.3,17.9 65.9,17.9 65.9,19.3 67,19.3 67,21.3
1V on L3 "L3-1V" (solid, remove dead copper, pour order 97): -7.3,-127.5 102.7,-127.5 102.7,127.5 -7.3,127.5
GND on L2 (split plane): 102.598,-127.398 -7.198,-127.398 -7.198,127.398 102.598,127.398

## Keep-outs
Keep-Out Layer:
  the board outline again, w0.2

## Other copper
L2 (plane layer: these items are gaps in the copper):
  region: 112,-127.5 102.7,-127.5 102.7,127.5 112,127.5
  lines w0.2: -7.3,-127.5 102.7,-127.5 102.7,127.5 -7.3,127.5 -7.3,-127.5
Multi-Layer:
  lines w0.05: -28.2,-151.75 -28.2,-151.9 -28.05,-151.9
  lines w0.1: -23.2,-139.4 -18.2,-139.4 166.8,-139.4 ; -23.2,-94.4 -18.2,-94.4 -18.2,-146.9 ; -23.2,-53.362 -18.2,-53.362 ; -23.2,-3.362 -18.2,-3.362 ; -23.2,46.638 -18.2,46.638 ; -23.2,96.676 -18.2,96.676 ; -18.2,140.1 -18.2,-146.9 ; -17.95,-146.9 166.8,-146.9 ; 166.8,-94.4 166.8,-146.9 ; -18.2,-146.9 166.8,-146.9 ; -18.2,-146.9 -23.2,-146.9 -23.2,140.1 166.8,140.1 166.8,-146.9 ; -18.2,-146.9 166.8,-146.9 ; -18.2,-146.9 166.8,-146.9
  lines w0.2: -7.3,-127.5 112,-127.5 112,127.5 -7.3,127.5 -7.3,-127.5
  text "Printed copies of this document are uncontrolled and may NOT be current. All information is strictly CONFIDENTIAL." at -17.55,-141.95 h1.05
  text "IMI Group reserves all rights even in the event of industrial property rights." at 90.55,-141.95 h1.05
  text "We reserve all rights of disposal such as copying and passing on to third parties." at -17.6,-145.4 h1.05

## Silkscreen, mask and mechanical layers (free items; w line width, h text height)
26_Silkscreen Top:
  text "TECHNOBIT" at 79.879,53.38 h3
Mechanical 17:
  lines w0.025: -7.3,127.5 -7.299,127.5 ; 112,-127.5 112.001,-127.5 ; 112,127.5 112.001,127.5 112,127.5
  lines w0.254: -7.3,128.77 -7.3,136.27 ; 46.854,135 -7.3,135 ; 57.846,135 112,135 ; 112,128.77 112,136.27 ; 113.27,-127.5 126.27,-127.5 ; 113.27,127.5 126.27,127.5 ; 125,-1.714 125,-127.5 ; 125,1.714 125,127.5 ; -7.3,135 -4.76,135.635 -4.76,134.365 -7.3,135 ; 112,135 109.46,134.365 109.46,135.635 112,135 ; 125,-127.5 124.365,-124.96 125.635,-124.96 125,-127.5 ; 125,127.5 125.635,124.96 124.365,124.96 125,127.5
  text "119.30mm" at 47.616,134.047 h1.27
  text "255.00mm" at 119.66,-0.953 h1.27

## Text inside footprints (layer, text, board x,y; h text height)
J1: Top Assy "1" at 101.25,67.66 h0.5 r270; Top Assy "5" at 101.25,55.817 h0.5 r270
J2: Top Assy "1" at 106.045,82.241 h0.5 r90; Top Assy "5" at 106.045,85.384 h0.5 r90
J3: Top Assy "3" at 108.26,115.178 h0.5 r90; Top Assy "1" at 108.26,105.635 h0.5 r90
J4: Top Assy "1" at 11.2,-5.929 h0.5 r90; Top Assy "4" at 16.15,-6.048 h0.5 r90; Top Assy "3" at 11.2,5.564 h0.5 r90; Top Assy "6" at 16.15,5.576 h0.5 r90
J5: Top Assy "1" at -2.4,-5.91 h0.5 r90; Top Assy "4" at 2.55,-6.029 h0.5 r90; Top Assy "3" at -2.4,5.583 h0.5 r90; Top Assy "6" at 2.55,5.595 h0.5 r90
J6: Top Assy "1" at 52,-5.91 h0.5 r90; Top Assy "4" at 56.95,-6.029 h0.5 r90; Top Assy "3" at 52,5.583 h0.5 r90; Top Assy "6" at 56.95,5.595 h0.5 r90
J7: Top Assy "1" at 65.6,-5.91 h0.5 r90; Top Assy "4" at 70.55,-6.029 h0.5 r90; Top Assy "3" at 65.6,5.583 h0.5 r90; Top Assy "6" at 70.55,5.595 h0.5 r90
J8: Top Assy "1" at 79.2,-5.91 h0.5 r90; Top Assy "4" at 84.15,-6.029 h0.5 r90; Top Assy "3" at 79.2,5.583 h0.5 r90; Top Assy "6" at 84.15,5.595 h0.5 r90
J10: Top Assy "1" at 92.8,-5.91 h0.5 r90; Top Assy "4" at 97.75,-6.029 h0.5 r90; Top Assy "3" at 92.8,5.583 h0.5 r90; Top Assy "6" at 97.75,5.595 h0.5 r90
J11: Top Assy "1" at 24.8,-5.91 h0.5 r90; Top Assy "4" at 29.75,-6.029 h0.5 r90; Top Assy "3" at 24.8,5.583 h0.5 r90; Top Assy "6" at 29.75,5.595 h0.5 r90
J12: Top Assy "1" at 38.4,-5.91 h0.5 r90; Top Assy "4" at 43.35,-6.029 h0.5 r90; Top Assy "3" at 38.4,5.583 h0.5 r90; Top Assy "6" at 43.35,5.595 h0.5 r90